# Altium PCB V1_2.PcbDoc (part 1 of 3) (continued)
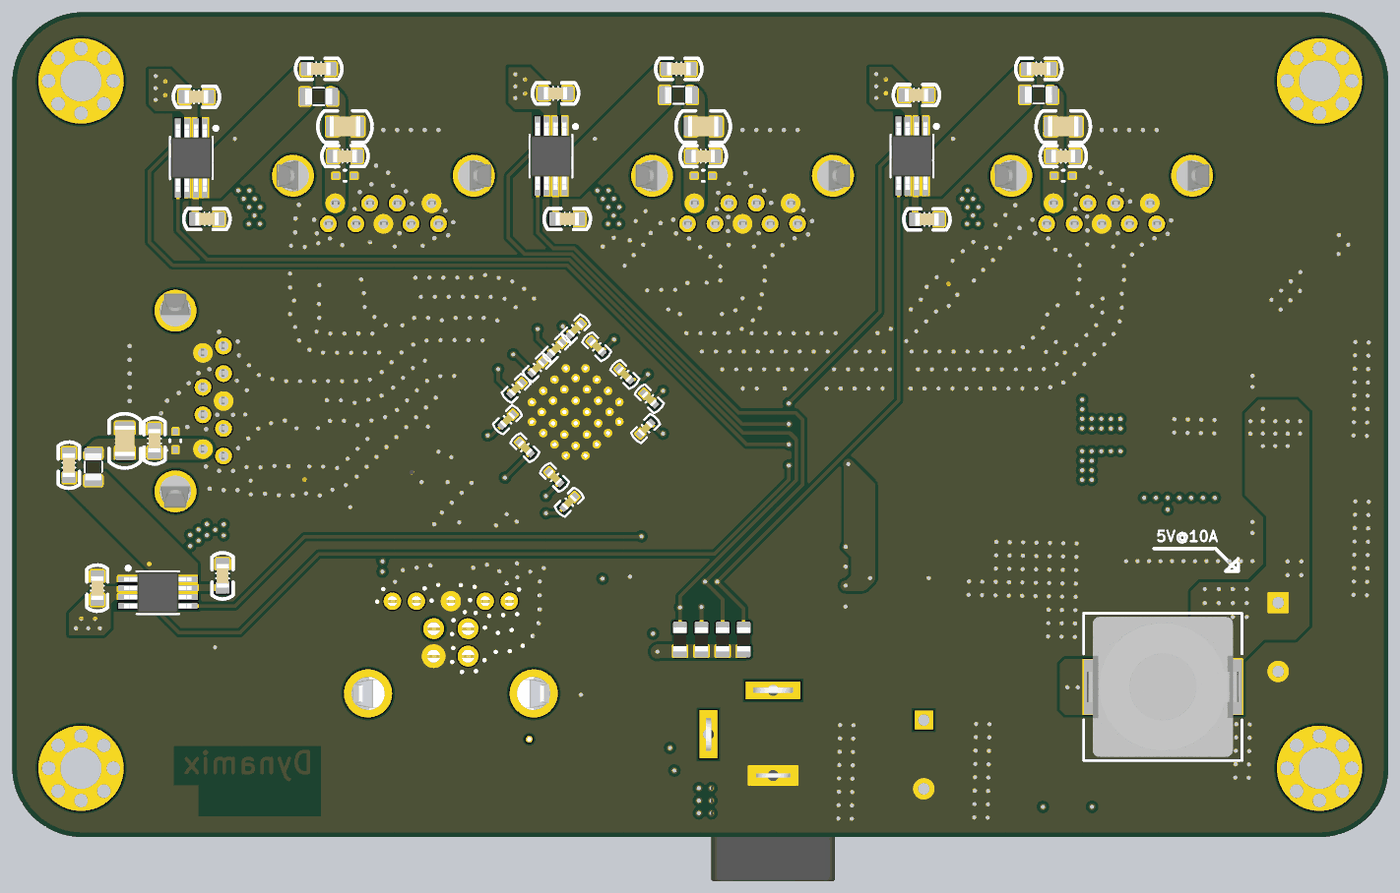
[diagram p7: 3D render of the assembled board from below, using the file's embedded part models]

## Layer stack, top to bottom
Top Solder: solder mask 0.0102, Solder Resist, Dk 3.5
Component Side: signal copper 0.0356
Dielectric 1: prepreg 0.195, FR-4, Dk 4.2
GND Layer: signal copper 0.0175
Dielectric 6: core 1.1, FR-4, Dk 4.2
Power Layer: signal copper 0.0175
Dielectric 7: prepreg 0.195, FR-4, Dk 4.2
Bottom Layer: signal copper 0.0356
Bottom Solder: solder mask 0.0102, Solder Resist, Dk 3.5

## Board outline
0,4.985 ccw(c4.985,4.985) 4.985,0 94.92,0 ccw(c94.92,5.08) 100,5.08 100,54.848 ccw(c94.848,54.848) 94.848,60 5.059,60 ccw(c5.059,54.941) 0,54.941

## Design rules (kind name [scope] priority, off if disabled: settings)
Clearance diff_clearance [(InDifferentialPairClass('All Differential Pairs'))] p1: gap=0.102 ignorepadtopadclearanceinfootprint=TRUE
Clearance [NOT (InDifferentialPairClass('All Differential Pairs'))] p2: gap=0.152 ignorepadtopadclearanceinfootprint=TRUE except(0.203: Arc-Fill Arc-Poly Arc-Region Track-Fill Track-Poly Track-Region SMDPad-Fill SMDPad-Poly SMDPad-Region THPad-Fill THPad-Poly THPad-Region Via-Fill Via-Poly Via-Region Fill-Fill Fill-Poly Fill-Region Poly-Poly Poly-Region Region-Region)
ComponentClearance [All] p1: gap=0.01 collisioncheckmode=3 verticalgap=0.01 showdistances=TRUE
DiffPairsRouting [All] p1: maxlimit=0.102 minlimit=0.102 mostfreqgap=0.102 toplayer_minwidth=0.173 toplayer_maxwidth=0.173 toplayer_prefwidth=0.173 midlayer1_minwidth=0.173 midlayer1_maxwidth=0.173 midlayer1_prefwidth=0.173 midlayer2_minwidth=0.173 midlayer2_maxwidth=0.173 midlayer2_prefwidth=0.173 bottomlayer_minwidth=0.173 bottomlayer_maxwidth=0.173 bottomlayer_prefwidth=0.173 maxuncoupledlength=12.7
HoleSize [All] p1: absolutevalues=TRUE maxlimit=5.08 minlimit=0.025 maxpercent=80.000 minpercent=20.000
MatchedLengths [InDifferentialPairClass('All Differential Pairs')] p1: tolerance=0.127 checknetsindiffpair=TRUE checkdiffpairvsdiffpair=FALSE checkxsignals=FALSE checkothers=FALSE
MinimumSolderMaskSliver [All] p1: minsoldermaskwidth=0.127
PlaneConnect [All] p1: planeconnectstyle=Direct reliefexpansion=0.508 reliefentries=4 reliefconductorwidth=0.254 reliefairgap=0.152
PolygonConnect [All] p1: connectstyle=Direct reliefconductorwidth=0.254 reliefentries=4 polygonreliefangle="90 Angle" airgapwidth=0.254
RoutingVias [All] p1: holewidth=0.305 width=0.508 viastyle="Through Hole" minholewidth=0.305 minwidth=0.508 maxholewidth=0.305 maxwidth=0.508
SilkToSolderMaskClearance [IsPad] p1: minsilkscreentomaskgap=0.127 clearancetoexposedcopper=TRUE
SolderMaskExpansion [All] p1: expansion=0.102 istentingtop=FALSE
Width [Not (InDifferentialPairClass('All Differential Pairs'))] p1: maxlimit=2.54 minlimit=0.254 preferedwidth=0.254
24 further rules are at their usual default settings.

## Classes and differential pairs
component class TUSB8041_Power_Logic_2: C53 C54 C55 C56 C57 C58 C59 C60 C61 C62 C63 C64 C65 C66 C67 C68 C69 C70 C71 C72 C73 C74 C75 C76 C77 C78 ESD2 J17 L6 L7 L8 LED7 Q2 R26 R27 R28 R29 R30 R31 R32 R33 R34 R35 R36 R37 R38 R39 R40 R41 R42 R43 U6 U7 U8 U9
component class TUSB8041_Misc_2: C37 C38 C39 C40 C41 C42 C43 C44 C45 C46 C47 C48 C49 C50 C51 C52 FB6 FB7 FB8 J6 J7 J8 J9 J10 J11 J12 J13 J14 J15 J16 Q1 R9 R10 R11 R12 R13 R14 R15 R16 R17 R18 R20 R21 R22 R23 R24 R25 TP1 TP2 U5 Y1
component class TUSB8041_Connectors_2: C1 C2 C3 C4 C5 C6 C7 C8 C9 C10 C11 C12 C13 C14 C15 C16 C17 C18 C19 C20 C21 C22 C23 C24 C25 C26 C27 C28 C29 C30 C31 C32 C33 C34 C35 C36 D1 D2 D3 D4 D5 D6 D7 D8 D9 D10 D11 D12 D13 D14 ESD1 ESD3 ESD6 ESD7 ESD8 ESD10 F1 FB1 FB2 FB3 FB4 FB5 H1 H2 H3 H4 J1 J2 J3 J4 J5 L1 L2 L3 L4 L5 LED1 LED2 LED3 LED4 R1 R2 R3 R4 R5 R6 R7 R8 U1 U2 U3 U4
differential pair USBHP4: +USBHP4_P -USBHP4_N
differential pair USBUP4_A: +USBUP4_A_P -USBUP4_A_N
differential pair USBUP3_A: +USBUP3_A_P -USBUP3_A_N
differential pair USBUP2_A: +USBUP2_A_P -USBUP2_A_N
differential pair USBUP1_A: +USBUP1_A_P -USBUP1_A_N
differential pair USBHP3: +USBHP3_P -USBHP3_N
differential pair USBHP2: +USBHP2_P -USBHP2_N
differential pair USBHP1: +USBHP1_P -USBHP1_N
differential pair USBDP: +USBDP_P -USBDP_N
differential pair USBDP_A: +USBDP_A_P -USBDP_A_N
differential pair SSTX4: +SSTX4_P -SSTX4_N
differential pair SSTX4_A: +SSTX4_A_P -SSTX4_A_N
differential pair SSTX3: +SSTX3_P -SSTX3_N
differential pair SSTX3_A: +SSTX3_A_P -SSTX3_A_N
differential pair SSTX2: +SSTX2_P -SSTX2_N
differential pair SSTX2_A: +SSTX2_A_P -SSTX2_A_N
differential pair SSTX1: +SSTX1_P -SSTX1_N
differential pair SSTX1_A: +SSTX1_A_P -SSTX1_A_N
differential pair SSTX0: +SSTX0_P -SSTX0_N
differential pair SSTX0_A: +SSTX0_A_P -SSTX0_A_N
differential pair SSRX4_A: +SSRX4_A_P -SSRX4_A_N
differential pair SSRX3_A: +SSRX3_A_P -SSRX3_A_N
differential pair SSRX2_A: +SSRX2_A_P -SSRX2_A_N
differential pair SSRX1_A: +SSRX1_A_P -SSRX1_A_N
differential pair SSRX0_A: +SSRX0_A_P -SSRX0_A_N

## Components (designator, comment, footprint, x,y, rotation, side; value= is the part's Value field where it differs from the comment)
C1 "0.1uF" CAP0402 78.603,30.453 r0 top value=104
C2 "0.1uF" CAP0402 78.603,31.496 r0 top value=104
C3 "0.1uF" CAP0603 93.818,18.105 r270 bottom value=104
C4 "0.1uF" CAP0603 60.52,54.102 r0 bottom value=104
C5 "0.1uF" CAP0603 84.709,18.994 r270 bottom value=104
C6 "0.1uF" CAP0603 59.663,44.958 r0 bottom value=104
C7 "330uF" CAP7343_TANT 91.694,18.034 r0 top
C8 "4.7uF" CAP0805 91.821,28.817 r270 bottom value=104
C9 "0.1uF" CAP0603 89.662,28.817 r270 bottom value=104
C10 "0.1uF" CAP0603 95.885,27.051 r270 bottom value=104
C11 "0.1uF" CAP0603 86.614,53.848 r0 bottom value=104
C12 "0.1uF" CAP0603 34.29,53.975 r0 bottom value=104
C13 "0.1uF" CAP0402 72.255,37.942 r0 top value=104
C14 "0.1uF" CAP0402 72.255,38.979 r0 top value=104
C15 "0.1uF" CAP0603 85.852,44.958 r0 bottom value=104
C16 "0.1uF" CAP0603 33.528,44.93 r0 bottom value=104
C17 "330uF" CAP7343_TANT 86.741,51.689 r90 top
C18 "4.7uF" CAP0603 75.819,49.53 r0 bottom value=104
C19 "0.1uF" CAP0805 75.819,51.689 r0 bottom value=104
C20 "0.1uF" CAP0603 77.724,55.88 r0 bottom value=104
C21 "0.1uF" CAP0402 50.082,39.602 r180 top value=104
C22 "0.1uF" CAP0402 50.085,38.628 r180 top value=104
C23 "0.1uF" CAP0402 65.896,24.12 r315 top value=104
C24 "0.1uF" CAP0402 65.158,23.375 r315 top value=104
C25 "330uF" CAP7343_TANT 60.579,51.689 r90 top
C26 "4.7uF" CAP0805 49.784,51.689 r0 bottom value=104
C27 "0.1uF" CAP0603 49.784,49.53 r0 bottom value=104
C28 "0.1uF" CAP0603 51.562,55.88 r0 bottom value=104
C29 "0.1uF" CAP0402 23.63,38.206 r135 top value=104
C30 "0.1uF" CAP0402 22.933,37.51 r135 top value=104
C31 "0.1uF" CAP0805 83.566,12.954 r270 top value=104
C32 "0.1uF" CAP0603 57.169,3.619 r270 top value=104
C33 "330uF" CAP7343_TANT 34.544,51.689 r90 top
C34 "4.7uF" CAP0805 23.622,51.689 r0 bottom value=104
C35 "0.1uF" CAP0603 23.622,49.53 r0 bottom value=104
C36 "0.1uF" CAP0603 25.4,55.88 r0 bottom value=104
C37 "0.1uF" CAP0402 53.7,31.877 r225 bottom value=104
C38 "0.1uF" CAP0402 55.487,33.655 r225 bottom value=104
C39 "0.1uF" CAP0402 57.521,35.666 r225 bottom value=104
C40 "0.1uF" CAP0402 60.452,35.56 r315 bottom value=104
C41 "0.1uF" CAP0402 61.849,34.163 r315 bottom value=104
C42 "0.1uF" CAP0402 63.373,32.639 r315 bottom value=104
C43 "0.1uF" CAP0402 62.738,28.321 r225 bottom value=104
C44 "0.1uF" CAP0402 59.522,24.357 r315 bottom value=104
C45 "0.1uF" CAP0402 53.975,29.716 r135 bottom value=104
C46 "0.1uF" CAP0402 60.593,26.162 r225 bottom value=104
C47 "0.1uF" CAP0402 64.008,30.353 r315 bottom value=104
C48 "0.1uF" CAP0402 59.055,36.957 r315 bottom value=104
C49 "0.1uF" CAP0805 75.692,22.492 r225 top value=104
C50 "0.1uF" CAP0603 69.731,24.525 r315 top value=104
C51 "0.1uF" CAP0603 74.117,24.13 r225 top value=104
C52 "0.1uF" CAP0603 33.216,30.873 r0 top value=104
C53 "47UF" CAPC1210(3225)200_L 5.588,22.225 r0 top
C54 "0.1uF" CAP0603 6.863,25.579 r270 top value=104
C55 "22pF" CAP0603 14.823,26.795 r270 top value=104
C56 "47UF" CAPC1210(3225)200_L 18.923,22.189 r180 top
C57 "0.1uF" CAP0603 16.886,26.785 r270 top value=104
C58 "1000uF" NIC-UVR-10x12.5-2_V 33.754,6.006 r270 top
C59 "47UF" CAPC1210(3225)200_L 34.004,13.548 r270 top
C60 "0.1uF" CAP0805 30.702,13.548 r270 top value=104
C61 "0.1uF" CAP0805 37.306,13.548 r270 top value=104
C62 "0.1uF" CAP0603 57.188,7.333 r90 top value=104
C63 "0.1uF" CAP0805 26.258,13.589 r270 top value=104
C64 "0.1uF" CAP0603 26.289,9.04 r90 top value=104
C65 "0.1uF" CAP0603 15.714,11.811 r90 top value=104
C66 "1500uF" NIC-UVR-10x12.5-2_V 8.001,14.541 r270 top
C67 "0.1uF" CAP0805 18.796,16.129 r90 top value=104
C68 "0.1uF" CAP0603 57.97,14.541 r0 top value=104
C69 "0.1uF" CAP0805 7.35,45.692 r270 top value=104
C70 "0.1uF" CAP0603 15.748,16.129 r90 top value=104
C71 "33nF" CAP0603 16.129,3.825 r90 top value=104
C72 "2.2nF" CAP0603 23.302,3.806 r90 top value=104
C73 "22pF" CAP0603 18.034,3.825 r90 top value=104
C74 "47UF" CAPC1210(3225)200_L 5.588,32.639 r0 top
C75 "0.1uF" CAP0603 6.511,36.542 r315 top value=104
C76 "22pF" CAP0603 14.823,37.425 r270 top value=104
C77 "47UF" CAPC1210(3225)200_L 17.32,33.11 r90 top
C78 "0.1uF" CAP0603 16.655,37.425 r270 top value=104
D1 "ESD3V3U4ULC" PG-TSLP-9-1 81.054,31.716 r0 top
D2 "ESD5Z12T1G" ONSC-SOD-523-2-502-01_V 88.138,28.829 r90 bottom
D3 "ESD5V3U2U-03F" INF-PG-TSFP-3-1_V 81.297,25.927 r270 top
D4 "ESD3V3U4ULC" PG-TSLP-9-1 73.025,41.021 r90 top
D5 "ESD5Z12T1G" ONSC-SOD-523-2-502-01_V 75.819,48.105 r180 bottom
D6 "ESD5V3U2U-03F" INF-PG-TSFP-3-1_V 78.74,41.656 r0 top
D7 "ESD3V3U4ULC" PG-TSLP-9-1 46.926,41.021 r90 top
D8 "ESD3V3U4ULC" PG-TSLP-9-1 68.123,20.574 r90 top
D9 "ESD5Z12T1G" ONSC-SOD-523-2-502-01_V 49.784,48.105 r180 bottom
D10 "ESD5V3U2U-03F" INF-PG-TSFP-3-1_V 56.107,42.418 r45 top
D11 "ESD3V3U4ULC" PG-TSLP-9-1 20.828,41.021 r90 top
D12 "ESD5V3U2U-03F" INF-PG-TSFP-3-1_V 62.357,20.574 r180 top
D13 "ESD5Z12T1G" ONSC-SOD-523-2-502-01_V 23.622,48.105 r180 bottom
D14 "ESD5V3U2U-03F" INF-PG-TSFP-3-1_V 30.106,41.977 r45 top
ESD1 "ESD6V8S" SC-79 81.153,12.954 r90 top
ESD2 "ESD6V8S" DO-214 42.291,13.459 r0 top
F1 "Fuse" FUSE1206 78.74,12.954 r90 top
FB1 "900R@100MHz" L0805 94.107,26.924 r270 bottom
FB2 "900R@100MHz" L0805 77.724,53.863 r0 bottom
FB3 "900R@100MHz" L0805 51.577,53.978 r0 bottom
FB4 "900R@100MHz" L0805 83.566,8.89 r270 top
FB5 "900R@100MHz" L0805 25.415,53.99 r0 bottom
FB6 "220R@100MHz" L0805 20.029,33.147 r90 top
FB7 "200R@100MHz" L0805 19.558,25.979 r225 top
FB8 "200R@100MHz" L0603 72.489,21.83 r315 top
H1 "HOLE" HOLE_Φ3_1_2D 5,5 r0 top locked
H2 "HOLE" HOLE_Φ3_1_2D 95,5 r0 top locked
H3 "HOLE" HOLE_Φ3_1_2D 95,55 r0 top locked
H4 "HOLE" HOLE_Φ3_1_2D 5,55 r0 top locked
J1 "48405-0003" CN_USB30_A 86.388,31.716 r90 top locked
J2 "48405-0003" CN_USB30_A 73.025,46.355 r180 top locked
J3 "48405-0003" CN_USB30_A 46.927,46.355 r180 top locked
J4 "USB3.0_B" ASS_4224_CO 68.123,17.155 r0 top locked
J5 "48405-0003" CN_USB30_A 20.828,46.355 r180 top locked
J6 "JUMPER" JP 44.989,22.599 r270 top
J7 "JUMPER" JP 47.244,27.07 r270 top
J8 "JUMPER" JP 47.244,21.108 r90 top
J9 "JUMPER" JP 44.989,28.56 r270 top
J10 "JUMPER" JP 44.989,19.618 r90 top
J11 "JUMPER" JP 47.244,18.127 r90 top
J12 "JUMPER" JP 44.989,16.637 r90 top
J13 "JUMPER" JP 47.244,30.051 r270 top
J14 "JUMPER" JP 44.989,31.541 r270 top
J15 "JUMPER" JP 47.244,24.089 r270 top
J16 "JUMPER" JP 44.989,25.579 r270 top
J17 "KLDX-0202-A" KYCN-KLDX-0202-A_V 44.703,4.469 r90 top
L1 "ACM2012-900-2P-T002" TDK-ACM2012_V 78.867,25.908 r180 top
L2 "ACM2012-900-2P-T002" TDK-ACM2012_V 78.74,39.141 r270 top
L3 "ACM2012-900-2P-T002" TDK-ACM2012_V 57.15,39.602 r270 top
L4 "ACM2012-900-2P-T002" TDK-ACM2012_V 62.357,23.241 r90 top
L5 "ACM2012-900-2P-T002" TDK-ACM2012_V 31.824,40.259 r315 top
L6 "LPS3015-222MRB" COIL-LPS3015_V 13.779,22.537 r90 top
L7 "744325180" WE-HCI-1050 16.383,10.922 r180 bottom
L8 "LPS3015-222MRB" COIL-LPS3015_V 13.78,33.147 r90 top
LED1 "LED_green" LED-0603-GREEN 94.877,21.971 r0 top
LED2 "LED_green" LED-0603-GREEN 56.392,54.957 r90 top
LED3 "LED_green" LED-0603-GREEN 82.55,54.957 r90 top
LED4 "LED_green" LED-0603-GREEN 30.303,54.957 r90 top
LED7 "LED_green" LED-0603-GREEN 36.441,19.685 r90 top
Q1 "AT24C04" SOIC-8 31.311,26.809 r0 top
Q2 "AO3401" SOT23 54.13,3.635 r270 top
R1 "10K" RES0603 49.911,14.366 r90 bottom value=1K
R2 "10K" RES0603 48.372,14.366 r90 bottom value=1K
R3 "10K" RES0603 90.955,21.956 r0 top value=1K
R4 "10K" RES0603 56.392,51.67 r90 top value=1K
R5 "10K" RES0603 51.469,14.366 r90 bottom value=1K
R6 "10K" RES0603 46.848,14.366 r90 bottom value=1K
R7 "10K" RES0603 82.55,51.67 r90 top value=1K
R8 "10K" RES0603 30.303,51.67 r90 top value=1K
R9 "9.53K_1%" RES0603 68.077,30.354 r45 top value=1K
R10 "4.7K" RES0603 41.402,27.19 r180 top value=1K
R11 "4.7K" RES0603 41.402,28.641 r180 top value=1K
R12 "4.7K" RES0603 41.402,30.106 r180 top value=1K
R13 "4.7K" RES0603 41.402,31.541 r180 top value=1K
R14 "4.7K" RES0603 41.402,22.565 r180 top value=1K
R15 "4.7K" RES0603 41.402,21.115 r180 top value=1K
R16 "4.7K" RES0603 41.402,18.214 r180 top value=1K
R17 "4.7K" RES0603 41.402,19.665 r0 top value=1K
R18 "4.7K" RES0603 41.402,16.764 r0 top value=1K
R20 "1K" RES0603 36.264,27.864 r90 top
R21 "1K" RES0603 37.661,27.867 r90 top
R22 "1K" RES0603 25.858,28.843 r0 top
R23 "1K" RES0603 25.858,27.431 r0 top
R24 "1K" RES0603 25.858,26.034 r0 top
R25 "1K" RES0603 29.406,22.999 r0 top
R26 "820K" RES0603 12.948,26.795 r90 top value=1K
R27 "182K" RES0603 10.287,25.4 r180 top value=1K
R28 "6.65K" RES0603 25.095,3.825 r90 top value=1K
R29 "1K" RES0603 34.614,19.7 r90 top
R30 "4.7K" RES0603 53.486,7.333 r90 top value=1K
R31 "2.49K" RES0603 26.858,3.81 r270 top value=1K
R32 "4.7K" RES0603 55.078,7.333 r90 top value=1K
R33 "11K" RES0603 21.508,3.806 r90 top value=1K
R34 "1.5K" RES0603 19.873,3.806 r270 top value=1K
R35 "61.9K" RES0603 12.745,3.806 r270 top value=1K
R36 "10K" RES0603 57.955,20.511 r0 top value=1K
R37 "90.9K" RES0603 53.441,17.077 r90 top value=1K
R38 "1K" RES0603 57.955,12.859 r180 top
R39 "10K" RES0603 55.1,17.061 r90 top value=1K
R40 "1K" RES0805 5,45.692 r90 top
R41 "4.64K" RES0603 14.412,3.803 r270 top value=1K
R42 "162K" RES0603 12.939,37.425 r90 top value=1K
R43 "150K" RES0603 10.272,36.345 r180 top value=1K
TP1 "TESTPOINT_THT_MINI" TP 38.106,22.575 r90 top
TP2 "TESTPOINT_THT_MINI" TP 38.106,24.575 r90 top
TP3 "TESTPOINT_THT_MINI" TP 38.106,20.575 r90 top
U1 "TPS2001C_DGK_8" VSSOP8 89.412,17.78 r180 bottom value=Value
U2 "TPS2001C_DGK_8" VSSOP8 60.845,49.53 r270 bottom value=Value
U3 "TPS2001C_DGK_8" VSSOP8 86.982,49.403 r270 bottom value=Value
U4 "TPS2001C_DGK_8" VSSOP8 34.615,49.543 r270 bottom value=Value
U5 "TUSB8041RGCR" QFN64_9*9 59.055,30.919 r225 top locked value=Value
U6 "TPS62290DRVR" DRV6-1600X1000TP 9.874,22.52 r180 top
U7 "TPS54020RUWR" R-PVQFN-N15 21.57,12.608 r270 top value=N/A
U8 "IMP809" SOT23 57.97,17.589 r90 top
U9 "TPS62290DRVR" DRV6-1600X1000TP 9.874,33.147 r180 top
Y1 "24MHZ" XTAL-3225 71.374,26.797 r225 top

## Footprints (in the part's own frame and the unit in brackets; to place one, negate y for a bottom-side part, rotate by r counter-clockwise, add the part's x,y. Pads: shape width x height; smd on the part's side, far side on the other; paste and mask are expansions set on the pad)
ASS_4224_CO [mm] "USB3.0_B"
  round 1.524 hole 0.92: 1(1.25,-2) 2(-1.25,-2) 3(-1.25,-4) 4(1.25,-4)
  round 1.27 hole 0.7: 5(-4.25,0) 6(-2.5,0) 7(0,0) 8(2.5,0) 9(4.25,0)
  round 3.5 hole 2.4: G1(-6.02,-6.71) G2(6.02,-6.71)
  silkscreen extent -7.37,-17.02 7.24,1.4, body extent -7.24,-17.02 7.16,1.28, height 13.07
CAP0402 [mm] "Chip Capacitor, Body 1.0x0.5mm, 0402, IPC Medium Density"
  round 0.2 on Mech15: 0(0,0)
  rrect20% 0.6x0.5 smd: 1(-0.5,0) 2(0.5,0)
  Component Side pour cut-out: -0.2,0.35 0.2,0.35 0.2,-0.35 -0.2,-0.35
  silkscreen extent -1.09,-0.52 1.09,0.52, body extent -0.52,-0.27 0.53,0.28, height 0.55
CAP0603 [mm] "Chip Capacitor, Body 1.6x0.8mm, 0603, IPC Medium Density"
  round 0.254 on Mech15: 0(0,0)
  rrect25% 0.9x1 smd: 1(-0.85,0) 2(0.85,0)
  Component Side pour cut-out: -0.4,0.6 0.4,0.6 0.4,-0.6 -0.4,-0.6
  silkscreen extent -1.68,-0.76 1.68,0.76, body extent -0.85,-0.45 0.85,0.45, height 0.89
CAP0805 [mm] "Chip Capacitor, Body 2.0x1.2mm, 0805, IPC Medium Density"
  round 0.254 on Mech15: 0(0,0)
  rrect25% 1x1.4 smd: 1(-0.9,0) 2(0.9,0)
  Component Side pour cut-out: -0.4,0.8 0.4,0.8 0.4,-0.8 -0.4,-0.8
  silkscreen extent -1.98,-1.14 1.98,1.14, body extent -1.1,-0.72 1.1,0.73, height 1.34
CAP7343_TANT [mm] "Chip Capacitor, Body 7.3x4.3mm, 7343, IPC Medium Density"
  rect 2x2.54 smd: 1(-3.65,0) 2(3.65,0)
  silkscreen extent -5.08,-2.54 5.08,2.54, body extent -3.7,-2.22 3.7,2.23, height 3.01
CAPC1210(3225)200_L [mm]
  rect 1.2x2.6 smd: 1(-1.275,0) 2(1.275,0)
  silkscreen extent -0.3,-1.2 0.3,1.2, body extent -1.7,-1.35 1.7,1.35, height 2
CN_USB30_A [mil]
  round 48 hole 28: 1(-137.8,9.84) 2(-39.37,9.84) 3(39.37,9.84) 4(137.8,9.84) 5(157.48,68.9) 6(78.74,68.9) 7(0,68.9) 8(-78.74,68.9) 9(-157.48,68.9)
  round 120 hole 90: G1(-258.66,-68.9) G2(258.66,-68.9)
  silkscreen extent -260,-530 260,120, body extent -306,-534 308,120, height 300
COIL-LPS3015_V [mm] "SMD, 2-Leads, Body 2.95x2.95mm"
  rect 0.5x0.5 smd mask+0.1: 1(-1.27,0) 2(1.27,0)
  Component Side region: 0.51,1.525 1.395,1.525 1.395,1.525 1.65,1.27 1.65,-1.27 1.395,-1.525 0.51,-1.525 0.51,-0.825 0.89,-0.51 0.89,-0.51 0.89,0.51 0.51,0.825 0.51,0.825
  Component Side region: -0.51,1.525 -1.395,1.525 -1.395,1.525 -1.65,1.27 -1.65,-1.27 -1.395,-1.525 -0.51,-1.525 -0.51,-0.825 -0.89,-0.51 -0.89,-0.51 -0.89,0.51 -0.51,0.825 -0.51,0.825
  body extent -1.58,-1.58 1.58,1.58, height 1.5
DO-214 [mm]
  rect 2x1.75 smd: 1(0,0) 2(4.6,0)
  silkscreen extent -0.4,-1.35 5,1.35, body extent -0.2,-1.34 4.91,1.33, height 2.12
DRV6-1600X1000TP [mm] "SON, 6-Leads, Body 2x2mm, Pitch 0.65mm, Thermal Pad 1.6x1mm, TI Recommended"
  rect 0.7x0.3 smd paste-0.025 mask+0.07: 1(-1.05,0.65) 2(-1.05,0) 3(-1.05,-0.65) 4(1.05,-0.65) 5(1.05,0) 6(1.05,0.65)
  rect 0.762x1.524 smd paste-0.5 mask+0.07: 7(0,0)
  silkscreen extent -1.5,-1.2 1.05,1.25, body extent -1.05,-1.05 1.05,1.05, height 0.8
FUSE1206 [mm] "FUSE, Body 3.2x1.6mm, 1206, IPC Medium Density"
  round 0.508 on Mech15: 0(0,0)
  round 0.254 on Mech15: 0(0,0) 0(0,0)
  rrect25% 1.3x1.8 smd: 1(-1.45,0) 2(1.45,0)
  silkscreen extent -0.63,-0.89 0.64,0.89, body extent -1.6,-0.83 1.6,0.83, height 0.56
HOLE_Φ3_1_2D [mm]
  round 1 hole 1: 1(-2.35,0) 1(-1.662,-1.662) 1(-1.662,1.662) 1(0,-2.35) 1(0,2.35) 1(1.662,-1.662) 1(1.662,1.662) 1(2.35,0)
  round 6.2 hole 3: 1(0,0)
INF-PG-TSFP-3-1_V [mm] "TSFP, 3-Leads, Body 1.2x0.8mm, Pitch 0.4mm"
  rect 0.4x0.45 smd mask+0.102: 1(-0.4,-0.525) 2(0.4,-0.525) 3(0,0.525)
  silkscreen extent -1.29,-0.61 0.6,0.4, body extent -0.6,-0.4 0.6,0.4, height 0.59
JP [mil]
  round 20 smd: 1(0,-20) 2(0,20)
  Component Side region: 0,-5 0,-30 5,-30 17.5,-26.65 26.65,-17.5 30,-5
  Component Side region: -30,-5 -26.65,-17.5 -17.5,-26.65 -5,-30 0,-30 0,-5
  Component Side region: 0,5 0,30 -5,30 -17.5,26.65 -26.65,17.5 -30,5
  Component Side region: 30,5 26.65,17.5 17.5,26.65 5,30 0,30 0,5
KYCN-KLDX-0202-A_V [mm]
  rect 1.3x4 hole 0.8 square: 1(6.2,0)
  rect 1.3x3.5 hole 0.8 square: 2(0,0)
  rect 3.5x1.3 hole 0.8 square: 3(3,-4.7)
  silkscreen extent -7.7,-4.5 6.8,4.5, body extent -7.7,-4.9 6.8,4.5, height 10.8
L0603 [mm] "Chip Inductor, Body 1.6x0.8mm, 0603, IPC Medium Density"
  round 0.254 on Mech15: 0(-0.015,0.015) 0(-0.015,0.015) 0(0,0)
  rrect25% 0.9x1 smd: 1(-0.85,0) 2(0.85,0)
  silkscreen extent -0.36,-0.41 0.36,0.41, body extent -0.87,-0.54 0.87,0.55, height 0.92
L0805 [mm] "Chip Inductor, Body 2.0x1.2mm, 0805, IPC Medium Density"
  round 0.254 on Mech15: 0(0,0)
  rrect25% 0.8x1.3 smd: 1(-1,0) 2(1,0)
  silkscreen extent -0.51,-0.64 0.51,0.64, body extent -1,-0.6 1,0.6, height 0.95
LED-0603-GREEN [mm]
  round 0.254 on Mech15: 0(0,0)
  rrect25% 0.8x0.8 smd: A(-0.85,0) K(0.85,0)
  Component Side pour cut-out: -0.5,0.5 0.5,0.5 0.5,-0.5 -0.5,-0.5
  silkscreen extent -1.55,-0.67 1.68,0.67, body extent -0.8,-0.4 0.8,0.4, height 0.75
NIC-UVR-10x12.5-2_V [mm] "TH, 2-Leads, Dia 10mm, Body Length 14mm, Pitch 5mm"
  rect 1.35x1.35 hole 0.85: 1(-2.5,0)
  round 1.35 hole 0.85: 2(2.5,0)
  silkscreen extent -5,-5 5,5, body extent -5,-5 5,5, height 14
ONSC-SOD-523-2-502-01_V [mm] "SOD, 2-Leads, Body 1.2x0.8mm"
  rect 0.48x0.4 smd: 1(-0.66,0) 2(0.66,0)
  silkscreen extent -0.75,-0.4 0.07,0.65, body extent -0.6,-0.4 0.6,0.4, height 0.7
PG-TSLP-9-1 [mm] "ESD3V3U4ULC"
  rect 0.38x0.3 smd mask+0.076: 1(-0.31,1) 2(-0.31,0.5) 4(-0.31,-0.5) 5(-0.31,-1) 6(0.31,-1) 7(0.31,-0.5) 8(0.31,0.5) 9(0.31,1)
  rect 1x0.3 smd mask+0.076: 3(0,0)
  silkscreen extent -0.89,-1.4 0.51,1.4, body extent -1.65,-1.15 0.5,1.4, height 0.32
QFN64_9*9 [mm] "TUSB8401"
  rect 0.6x0.24 smd paste+0 mask+0.051: 1(-4.4,3.75) 2(-4.4,3.25) 3(-4.4,2.75) 4(-4.4,2.25) 5(-4.4,1.75) 6(-4.4,1.25) 7(-4.4,0.75) 8(-4.4,0.25) 9(-4.4,-0.25) 10(-4.4,-0.75) 11(-4.4,-1.25) 12(-4.4,-1.75) 13(-4.4,-2.25) 14(-4.4,-2.75) 15(-4.4,-3.25) 16(-4.4,-3.75) 33(4.4,-3.75) 34(4.4,-3.25) 35(4.4,-2.75) 36(4.4,-2.25) 37(4.4,-1.75) 38(4.4,-1.25) 39(4.4,-0.75) 40(4.4,-0.25) 41(4.4,0.25) 42(4.4,0.75) 43(4.4,1.25) 44(4.4,1.75) 45(4.4,2.25) 46(4.4,2.75) 47(4.4,3.25) 48(4.4,3.75)
  rect 0.24x0.6 smd paste+0 mask+0.051: 17(-3.751,-4.4) 18(-3.251,-4.4) 19(-2.751,-4.4) 20(-2.251,-4.4) 21(-1.75,-4.4) 22(-1.25,-4.4) 23(-0.75,-4.4) 24(-0.25,-4.4) 25(0.25,-4.4) 26(0.75,-4.4) 27(1.25,-4.4) 28(1.75,-4.4) 29(2.251,-4.4) 30(2.751,-4.4) 31(3.251,-4.4) 32(3.751,-4.4) 49(3.751,4.4) 50(3.251,4.4) 51(2.751,4.4) 52(2.251,4.4) 53(1.75,4.4) 54(1.25,4.4) 55(0.75,4.4) 56(0.25,4.4) 57(-0.25,4.4) 58(-0.75,4.4) 59(-1.25,4.4) 60(-1.75,4.4) 61(-2.251,4.4) 62(-2.751,4.4) 63(-3.251,4.4) 64(-3.751,4.4)
  round 0.508 / inner round 1.524 / far side round 0.508 hole 0.305 mask+0.051: 65(-2.75,1.74) 65(-2.75,-1.74) 65(-2.75,0.58) 65(-2.75,-0.58) 65(-1.74,0.58) 65(-1.74,-0.58) 65(-1.74,1.74) 65(-1.74,-2.75) 65(-1.74,2.75) 65(-1.74,-1.74) 65(-0.58,2.75) 65(-0.58,1.74) 65(-0.58,-1.74) 65(-0.58,0.58) 65(-0.58,-0.58) 65(-0.58,-2.75) 65(0.58,-0.58) 65(0.58,1.74) 65(0.58,0.58) 65(0.58,-1.74) 65(0.58,-2.75) 65(0.58,2.75) 65(1.74,2.75) 65(1.74,1.74) 65(1.74,-2.75) 65(1.74,-1.74) 65(1.74,0.58) 65(1.74,-0.58) 65(2.75,-0.58) 65(2.75,0.58) 65(2.75,1.74) 65(2.75,-1.74)
  rect 6x6 smd paste-3 mask+0.051: 65(0,0)
  silkscreen extent -5.1,-5.1 5.1,5.1, body extent -4.5,-4.5 4.5,4.5, height 0.97
R-PVQFN-N15 [mm]
  rect 0.85x0.28 smd: 1(0,0) 2(0,-0.5) 3(0,-1) 4(0,-1.5) 5(0,-2) 6(0,-2.5) 10(3.45,-2.5) 11(3.45,-2) 12(3.45,-1.5) 13(3.45,-1) 14(3.45,-0.5) 15(3.45,0)
  rect 0.4x4.3 smd: 7(0.875,-1.25) 9(2.575,-1.25)
  rect 0.7x4.3 smd: 8(1.725,-1.25)
  silkscreen extent -0.85,-3.05 3.52,0.55, body extent -0.13,-3.05 3.56,0.51, height 1
RES0603 [mm] "Chip Resistor, Body 1.6x0.8mm, 0603, IPC Medium Density"
  round 0.254 on Mech15: 0(-0.015,0.015) 0(-0.015,0.015) 0(0,0)
  rrect25% 0.9x1 smd: 1(-0.85,0) 2(0.85,0)
  Component Side pour cut-out: -0.4,0.6 0.4,0.6 0.4,-0.6 -0.4,-0.6
  silkscreen extent -0.37,-0.41 0.34,0.41, body extent -0.87,-0.47 0.88,0.48, height 0.54
RES0805 [mm] "Chip Resistor, Body 2.0x1.2mm, 0805, IPC Medium Density"
  round 0.254 on Mech15: 0(0,0) 0(0,0)
  rrect25% 0.8x1.3 smd: 1(-1,0) 2(1,0)
  silkscreen extent -0.51,-0.64 0.51,0.64, body extent -1.1,-0.67 1.1,0.68, height 0.69
SC-79 [mm]
  rect 0.35x0.35 smd mask+0.07: 1(-0.675,0) 2(0.675,0)
  silkscreen extent -0.6,-0.5 0.6,0.5, body extent -0.85,-0.45 0.85,0.45, height 0.62
SOIC-8 [mm]
  rrect17% 1.45x0.6 smd: 1(-2.725,1.905) 2(-2.725,0.635) 3(-2.725,-0.635) 4(-2.725,-1.905) 5(2.725,-1.905) 6(2.725,-0.635) 7(2.725,0.635) 8(2.725,1.905)
  silkscreen extent -3.5,-2.5 0.9,2.5, body extent -3,-2.45 3,2.45, height 1.63
SOT23 [mm] "SOT23, 3-Leads, Body 2.90x2.45mm, Pitch 0.95mm, IPC Medium Density"
  rect 1x0.6 smd: 1(-1.2,0.95) 2(-1.2,-0.95) 3(1.2,0)
  silkscreen extent -1.32,-1.5 0.7,1.92, body extent -1.3,-1.5 1.3,1.5, height 1.1
TDK-ACM2012_V [mm] "SMD, 4-Leads, Body 2x1.2mm, Pitch 0.8mm"
  rect 0.75x0.4 smd: 1(-0.925,0.4) 2(-0.925,-0.4) 3(0.925,-0.4) 4(0.925,0.4)
  silkscreen extent -1.75,-0.6 0.15,0.6, body extent -1,-0.6 1,0.6, height 1.3
TP [mil] "TEST POINT"
  round 40 smd mask+2.76: 1(0,0)
VSSOP8 [mil]
  rect 56x17 smd: 1(-85.5,38.39) 2(-85.5,12.8) 3(-85.5,-12.8) 4(-85.5,-38.39) 5(85.5,-38.39) 6(85.5,-12.8) 7(85.5,12.8) 8(85.5,38.39)
  silkscreen extent -90,-61 61,75, body extent -96,-59 97,59, height 38
WE-HCI-1050 [mm] "SMD Inductor, 2-Leads, Body 10.5 x 10.2 mm"
  rect 3.85x4 smd: 1(-3.825,0) 2(3.825,0)
  silkscreen extent -5.75,-5.35 5.75,5.35, body extent -5.5,-5.1 5.5,5.1, height 5
XTAL-3225 [mm]
  rect 1.2x1.5 smd: 1(-0.978,1.295) 2(-1.003,-1.321) 3(1.003,-1.321) 4(0.978,1.321)
  silkscreen extent -1.37,-1.65 1.22,2.69, body extent -1.27,-1.65 1.23,1.55, height 0.8

## Part data
C1 C2 C3 C4 C5 C6 C8 C9 C10 C11 C12 C13 C14 C15 C16 C18 C19 C20 C21 C22 C23 C24 C26 C27 C28 C29 C30 C31 C32 C34 C35 C36 C37 C38 C39 C40 C41 C42 C43 C44 C45 C46 C47 C48 C49 C50 C51 C52 C54 C55 C57 C60 C61 C62 C63 C64 C65 C67 C68 C69 C70 C71 C72 C73 C75 C76 C78: library part CAP, "Capacitor", LatestRevisionDate=17-Jul-2002, LatestRevisionNote="Re-released for DXP Platform.", PackageReference=RAD-0.3, Published=8-Jun-2000, Publisher="Altium Limited"
C7 C17 C25 C33: library part CAP_POL
C53 C56 C59 C74 C77: library part CAP_5_2, "1210 (3225 Metric) Chip Capacitor", Case-EIA=1210, Case-Metric=3225, PackageReference=CAPC1210(3225)200
C58: library part CMP-1217-00001-1, "Aluminum Electrolytic Capacitor, 63 V, -40 to 85 degC, 2-Pin CAP, RoHS", Capacitance Tolerance=+/-20%, Manufacturer=Nichicon, Operating Temperature="-40 to 85 degC", PartNumber=UVR1J101MPD1TD, Rated Capacitance="100 uF", Rated Voltage="63 V", ComponentLink1Description="Manufacturer URL", ComponentLink1URL=http://www.nichicon.co.jp/, ComponentLink2Description=Datasheet, ComponentLink2URL=http://nichicon-us.com/english/products/pdfs/e-vr.pdf, ComponentLink3Description="Package Specification", ComponentLink3URL=http://nichicon-us.com/english/products/pdfs/e-vr.pdf, DatasheetVersion=Sep-13, Mounting Technology="Through Hole", PackageDescription="2-Pin Through Hole Package, Dia 10 mm, Body Length 12.5 mm, Pitch 5 mm", Packing=Bulk, Rated Ripple@85 degC 120 Hz="300 mA", ROHS=TRUE
C66: library part CMP-1217-00001-1, "Aluminum Electrolytic Capacitor, 6.3 V, -40 to 85 degC, 2-Pin CAP, RoHS", Capacitance Tolerance=+/-20%, Manufacturer=Nichicon, Operating Temperature="-40 to 85 degC", PartNumber=UVR1J101MPD1TD, Rated Capacitance="100 uF", Rated Voltage="63 V", ComponentLink1Description="Manufacturer URL", ComponentLink1URL=http://www.nichicon.co.jp/, ComponentLink2Description=Datasheet, ComponentLink2URL=http://nichicon-us.com/english/products/pdfs/e-vr.pdf, ComponentLink3Description="Package Specification", ComponentLink3URL=http://nichicon-us.com/english/products/pdfs/e-vr.pdf, DatasheetVersion=Sep-13, Mounting Technology="Through Hole", PackageDescription="2-Pin Through Hole Package, Dia 10 mm, Body Length 12.5 mm, Pitch 5 mm", Packing=Bulk, Rated Ripple@85 degC 120 Hz="300 mA", ROHS=TRUE
D1 D4 D7 D8 D11: "Ultra-Low Capacitance ESD / Transient Protection Array, -40 to 125 degC, PG-TSLP-9-1, Reel, Green", Manufacturer=Infineon, CL (max)=0.65??pF, CL (typ)=0.4??pF, ComponentLink1Description="Manufacturer URL", ComponentLink1URL=http://www.infineon.com/, ComponentLink2Description=Datasheet, ComponentLink2URL=http://www.infineon.com/dgdl/ESD3V3U4ULC_rev_1_2_ESD_Transient_Protection_Diode_Infineon.pdf?folderId=db3a30431f848401011fcbf2ab4c04c4&fileId=db3a30433004641301300d2a08107ac6, ComponentLink3Description="Package Specification", ComponentLink3URL=http://www.infineon.com/dgdl/ESD3V3U4ULC_rev_1_2_ESD_Transient_Protection_Diode_Infineon.pdf?folderId=db3a30431f848401011fcbf2ab4c04c4&fileId=db3a30433004641301300d2a08107ac6, DatasheetVersion="Rev. 1.2", Green=TRUE, Halogen-free=TRUE, IEFT="50 A", IR (max)=50??uA, Isurge="3 A", Mounting Technology="Surface Mount", PackageDescription="9-Pin Thin Small Leadless Package, Body 2.3 x 1 mm, Pitch 0.5 mm", PackageReference=PG-TSLP-9-1, PackageVersion=Mar-13, Packing=Reel, PartNumber=ESD3V3U4ULC, Protected Lines=4, Rdyn typ forward=0.23??Ohm, Rdyn typ reverse=0.19??Ohm, VESD (max)=20??kV, VRWM (max)=3.3??V
D2 D5 D9 D13: library part CMP-1063-00099-1, "Transient Voltage Suppressor, Micro-Packaged Diode for ESD Protection, 2-Pin SOD-523, Pb-Free, Tape and Reel", Manufacturer="On Semiconductor", ComponentLink1Description="Manufacturer URL", ComponentLink1URL=http://www.onsemi.com/, ComponentLink2Description=Datasheet, ComponentLink2URL=http://www.onsemi.cn/pub_link/Collateral/ESD5Z2.5T1-D.PDF, ComponentLink3Description="Package Specification", ComponentLink3URL=http://www.onsemi.com/pub_link/Collateral/502-01.PDF, DatasheetVersion="Rev. 10", Direction=Unidirectional, IR Max (uA)=0.01, Mounting Technology="Surface Mount", Number of Lines=1, PackageDescription="2-Pin SOD, Body 1.2 x 0.8 mm", PackageReference=SOD-523-2-502-01, PackageVersion="Rev. E, 09/2010", Packing="Tape and Reel", PartNumber=ESD5Z12T1G, PPK Max (W)=240, ROHS=Pb-Free, V(BR) Min (V)=14.1, VRWM Max (V)=12
D3 D6 D10 D12 D14: library part CMP-1150-00002-1, "Ultra-Low Capacitance ESD Diode Array, -40 to 125 degC, PG-TSFP-3-1, Reel, Green", Manufacturer=Infineon, CL (max)=0.6??pF, CL (typ)=0.4??pF, ComponentLink1Description="Manufacturer URL", ComponentLink1URL=http://www.infineon.com/, ComponentLink2Description=Datasheet, ComponentLink2URL=http://www.infineon.com/dgdl/esd5v3u2useries.pdf?folderId=db3a30431441fb5d011488a9e66f0ded&fileId=db3a30431b0626df011b0d3e3ca97dc0, ComponentLink3Description="Package Specification", ComponentLink3URL=http://www.infineon.com/dgdl/TSFP-3-1%2C-2-Package_Overview.pdf?folderId=db3a30431936bc4b0119538cdcb03d2d&fileId=db3a30431936bc4b0119539929863d46, Green=TRUE, Halogen-free=TRUE, IEFT="40 A", IR (max)=50??uA, Isurge="3 A", Mounting Technology="Surface Mount", PackageDescription="3-Pin Thin Small Flat Package, Body 1.2 x 0.8 mm, Pitch 0.4 mm", PackageReference=PG-TSFP-3-1, PackageVersion=Apr-08, Packing=Reel, PartNumber=ESD5V3U2U-03F, Protected Lines=2, Rdyn typ forward=0.5??Ohm, Rdyn typ reverse=0.6??Ohm, VESD (max)=20??kV, VRWM (max)=5.3??V
ESD1 ESD2: "Bi_ESD_TVS"
F1: Manufacturer="TE Connectivity", PartNumber=NANOSMDC020F-2, Supplier Part Number 1=NANOSMDC020F-2CT-ND, ComponentLink1Description="Datasheet URL", ComponentLink1URL=http://www.te.com/commerce/DocumentDelivery/DDEController?Action=srchrtrv&DocNm=SCD25536&DocType=Customer+Drawing&DocLang=English, CompType=Fuse, LatestRevisionDate=2015-11-23, MountType=SMT, PackageReference=1206, Published=2009-03-05, Publisher="Texas Instruments", ROHS=Y, Rtyp_Ohm=1.875, Supplier 1=Digi-Key, Supplier 2=Mouser, Supplier 3=Farnell, Supplier Part Number 2=650-NANOSMDC020F-2, Supplier Part Number 3=1345939, SymbolCreator=a0412235, SymbolVersion=2013-04-02, VDC_V=24
FB1 FB2 FB3 FB4 FB5 FB6 FB7 FB8: library part "Ferrite Bead"
J1 J2 J3 J5: library part USB-UEA11123-4HK1-4H, Date=02042009
J6 J7 J8 J9 J10 J11 J12 J13 J14 J15 J16: Alternate Manufacturer=-, Manufacturer="Used in BOM report", Alternate PartNumber=-, ComponentLink1Description="Datasheet Link", CompType="Used in some BOM reports.  Useful for finding later.", MountType="SMT, TH, or N/A", PackageReference=N/A, PartNumber="Used in BOM report", ROHS="Used in BOM report.  Use Y or N.", SymbolCreator="Use a-id", SymbolVersion="use current date i.e. 2008-05-20", U/M="EA, IN, or GM"
J17: library part CMP-1673-00001-1, "DC Power Connectors 2mm PCB JACK POWER JACK", ComponentLink1Description=Datasheet, ComponentLink1URL=http://www.mouser.com/ds/2/222/KLDX_0202_LT-334784.pdf, PackageReference=KLDX-0202-A, PartNumber=KLDX-0202-A
L1 L2 L3 L4 L5: library part CMP-2000-05738-1, "Common Mode Filter, 90 Ohm, 50 V, -40 to 85 degC, 4-Pin SMD, RoHS, Tape and Reel", Inductance=N/A, Manufacturer=TDKCorporation, Maximum DC Current=400mA, Maximum DC Resistance=190mOhm, Maximum Operating Temperature=85C, Minimum Operating Temperature=-40C, Package Description="4-Pin Surface Mounted Device, Body 2 x 1.2 mm, Pitch 0.8 mm", Package Reference=ACM2012, Part No=ACM2012-900-2P-T, Test Frequency=100MHz, Voltage Rating=50VDC, Attenuation=N/A, Configuration=Dual, Datasheet URL=https://product.tdk.com/info/en/catalog/datasheets/cmf_commercial_signal_acm2012_en.pdf, Datasheet Version=12/2015, Family=ACM, Impedance=90Ohm, Leakage Inductance=N/A, Manufacturer URL=http://www.tdk.com/, Minimum Insulation Resistance=N/A, Mounting Technology=SurfaceMount, Number of Lines=2, Packaging=TapeandReel, Product Depth=1.4mm, Product Height=1.3mm, Product Length=2.2mm, ROHS=Yes, Type=SignalLine, Withstand Voltage=N/A
L6 L8: library part CMP-2000-06574-1, "Shielded Power Inductor, 2.2 uH, +/- 20%, 110 mOhm, -40 to 85 degC, 2-Pin SMD, RoHS, Tape and Reel", Inductance=2.2uH, Manufacturer=Coilcraft, Maximum DC Current=2.1A, Maximum DC Resistance=110mOhms, Operating Temperature Range=-40Cto+85C, Package Description="2-Pin Surfave Mount Device, Body 2.95 x 2.95 mm", Package Reference=LPS3015, Self Resonant Frequency=110MHz, Test Frequency=100kHz, Tolerance=20%, =LPS3015-222MRC, Brand=Coilcraft, Core Material=Ferrite, Datasheet URL=http://www.coilcraft.com/pdfs/lps3015.pdf, Datasheet Version=09/2015, Factory Pack Quantity=1, HEIGHT=1.4mm, Length=3mm, Manufacturer URL=http://www.coilcraft.com/, Mounting Style=SMD/SMT, Mounting Technology=SurfaceMount, Packaging=CutTape, Product=PowerInductors, Product Category=FixedInductors, Qualification=AEC-Q200, ROHS=True, Series=LPS3015, Shielding=Shielded, Termination Style=SMD/SMT, Type=ShieldedPowerInductor, Unit Weight=0.001411oz, Width=3mm
L7: library part CMP-0226-00134-1, "SMD Flat Wire High Current Inductor WE-HCI, L=1.80 μH", Inductance="1.80 ?μH", ComponentLink1Description="Manufacturer Link", ComponentLink1URL=http://www.we-online.com, ComponentLink2Description=Datasheet, ComponentLink2URL=http://www.we-online.de/katalog/media/pdf/744325180.pdf, DatasheetVersion="ver 2, Jan-2008", PackageDescription="SMD Inductor, 2-Leads, Body 10.5 x 10.2 mm", PackageReference=WE-HCI-1050, PackageVersion=2008
Q1: "I2C-Compatible, (2-wire) Serial EEPROM / 4-Kbit (512 x 8)"
Q2: "-30V,4A", Part Number=99G10-030249, approval status=CA, Cost=0.08, Date=11072003, Dsc1="TRANSISTOR FET P CHANNEL", Dsc2=APM2301AAC-TRL, Dsc3=SOT23, Dsc4=3PIN, Dsc8=ANPEC, Id=14098, Part Type="SMD TRANSISTOR", Qualify=YES, QUAN=17271, 弧="TRANSISTOR FET P CHANNEL AP"
R1 R2 R3 R4 R5 R6 R7 R8 R9 R10 R11 R12 R13 R14 R15 R16 R17 R18 R20 R21 R22 R23 R24 R25 R26 R27 R28 R29 R30 R31 R32 R33 R34 R35 R36 R37 R38 R39 R40 R41 R42 R43: library part RES, "Resistor", Published=8-Jun-2000, Publisher="Altium Limited", Revision="July-2002: Re-released for DXP Platform."
TP1 TP2 TP3: "Test Point", Manufacturer 1="Keystone Electronics", Manufacturer Part Number 1=5002, Supplier Part Number 1=5002K-ND, Material="Base, Nylon 46, UL 94V-0", Mounting Type="0.040\" (1.0mm) Hole Diameter", Supplier 1=Digi-Key
U1 U2 U3 U4: "2A_MOS_PSW", Manufacturer="Texas Instruments", Manufacturer_Part_Number=tps2001c_dgk_8, PACKAGE_DESIGNATOR=DGK, Datasheet URL=http://www.ti.com/lit/gpn/TPS2001C, FAMILY_NAME="USB POWER SWITCH", GENERIC_PART_NUMBER=TPS2001C, INDUSTRY_STD_PKG_TYPE=MSOP, PIN_COUNT=8, RefDes=RefDes, Type=Type, Vendor="Texas Instruments"
U5: "USB30HUB", Alternate PartNumber=TUSB8041RGCT, Manufacturer="Texas Instruments", CompType=IC, MountType=SMT, PackageReference=RGC0064G, PartNumber=TUSB8041RGCR, PIN_COUNT=65, RefDes=RefDes, ROHS=Y, Type=TYPE
U6 U9: library part CMP-0323-00361-1, "Buck Step Down Regulator with 2.3 to 6 V Input and 0.6 to 6 V Output, -40 to 85 degC, 6-Pin SON (DRV), Green (RoHS & no Sb/Br)", Manufacturer="Texas Instruments", Rating=Catalog, Switch Current Limit(Typ)(A)=1.4, ComponentLink1Description=Datasheet, ComponentLink1URL=http://www.ti.com/general/docs/lit/getliterature.tsp?genericPartNumber=TPS62290&fileType=pdf, ComponentLink2Description="URL Link1", ComponentLink2URL="Samples URL:http://www.ti.com/product/tps62290#samples", DatasheetVersion=SLVS764C, Duty Cycle(Max)(%)=100, Eco-Plan="Green (RoHS & no Sb/Br)", Iout(Max)(A)=1, Iq(Typ)(mA)=0.015, Mounting Technology="Surface Mount", PackageDescription="6-Pin Plastic Small Outline No-Lead, 2 x 2 x 0.8 mm Body, 0.65 mm Pitch, Exposed Pad", PackageReference=DRV6-1600X1000TP, PackageVersion="revE, Oct-2010", PartNumber=TPS62290DRVR, Regulated Outputs(#)=1, SubFamily="Step-Down Regulator", Synchronous Rectification=TRUE, Topology=Buck, Vin(Max)(V)=6, Vin(Min)(V)=2.3, Vout(Max)(V)=6, Vout(Min)(V)=0.6
U7: Manufacturer Name="Texas Instruments", Manufacturer Part Number=TPS54020RUWR, PackageReference=TPS54020RUWR
U8: "Power Monitor"
Y1: library part XTAL, "OSC 50MHZ FIXED 3.3V SMT", AGILE_PN=230-76894, CAD_APPROVED=Yes, CLASS=IC, HEIGHT=1.75MM, MFG_NAME01="ECS INC. INTERNATIONAL", MFG_PN01=ECS-3953M-500-BN, ROHS=Yes
H1 H2 H3 H4: AGILE_PN=210-75685, CAD_APPROVED=Yes, CLASS=IC, HEIGHT="4.8 MM", MFG_NAME01="COMPONENTS CORPORATION", MFG_PN01=TP-105-01-09, ROHS=Yes
J4: Date=02042009

## Via types
v1: diameter 0.508, hole 0.305, Component Side to Bottom Layer, tented both sides, 788 vias
v2: diameter 0.508, hole 0.305, Component Side to Bottom Layer, 1 vias

## Nets (pads, with @x,y where several pads share a name; then routed paths per layer and width w, separated by ;. In a path a pad name is that pad's centre, name@x,y a point inside that pad or via, vN(x,y) a via of type N, cw(c..) or ccw(c..) an arc to the next point about the centre after c; other vN are vias at no path point)
1_1V: C76.2 C77.2 C78.2 FB6.2 L8.2 R42.1
3_3V: C52.2 C55.2 C56.2 C57.2 FB7.2 FB8.2 L6.2 LED7.A Q1.8 R1.1 R2.1 R5.1 R6.1 R10.2 R11.2 R12.2 R13.2 R14.2 R15.2 R16.2 R20.2 R21.2 R26.1 R36.1 U8.3 | length 49.5
  Component Side w0.254: v1(39.433,18.288) 40.478,18.288 R16.2@40.552,18.214 ; v1(39.433,21.115) R15.2@40.552,21.115 R14.2@40.552,22.565 ; v1(57.101,18.789) U8.3@57.97,18.789 57.97,19.645 R36.1@57.105,20.511 ; v1(73.09,20.053) FB8.2@73.09,21.229
  Component Side w0.508: C52.2@34.066,30.873 34.036,30.843 Q1.8@34.036,28.714 34.039,28.717 R21.2@37.661,28.717 39.243,27.135 v1(39.243,27.133) 39.3,27.19 R10.2@40.552,27.19 R11.2@40.552,28.641 R12.2@40.552,30.106 R13.2@40.552,31.541
  Component Side w0.762: LED7.A@36.441,18.835 v1(37.661,18.835)
  Bottom Layer w0.508: v1(39.243,27.133) 39.243,21.305 v1(39.433,21.115) 38.773,20.454 38.773,18.948 v1(39.433,18.288)
  Bottom Layer w0.762: v1(39.243,27.133) 37.661,25.551 v1(37.661,18.835) 38.208,18.288 v1(39.433,18.288)
  Bottom Layer w1.016: R6.1@46.848,13.516 53.07,13.516 v1(53.101,13.485)
  other v1: 73.09,19.304 16.034,23.816 12.605,24.674 13.462,24.674 14.319,24.674 15.177,24.674 16.034,24.674 16.892,24.674 17.749,24.674
5VBus: C32.2 FB4.2 Q2.3 R37.1 | length 58.9
  Component Side w0.508: v1(53.431,14.795) 53.441,14.806 R37.1@53.441,16.227
  Component Side w1.016: Q2.3@54.13,2.435 57.405,2.435 62.86,7.89 76.122,7.89
  Component Side w2.032: C32.2@57.405,2.435 58.251,2.435 63.055,7.239 75.471,7.239 76.122,7.89
  Power Layer w0.508: v1(53.431,14.795) 53.431,14.66 60.979,7.112 v2(62.436,7.112)
Detect: C62.2 J17.3 R30.2 R32.2 | length 8.1
  Component Side w0.508: J17.3@49.403,7.469 50.117,8.183 C62.2@57.188,8.183